# Altium PCB R3S601.PcbDoc
Units mil, origin at the board's own origin, x right, y up, seen from the top; angles counter-clockwise.
Board outline 3873.79 x 3851.81 mil, 2 copper layers (Top Layer, Bottom Layer); 56 components, 34 nets, 207 pads, 39 vias.
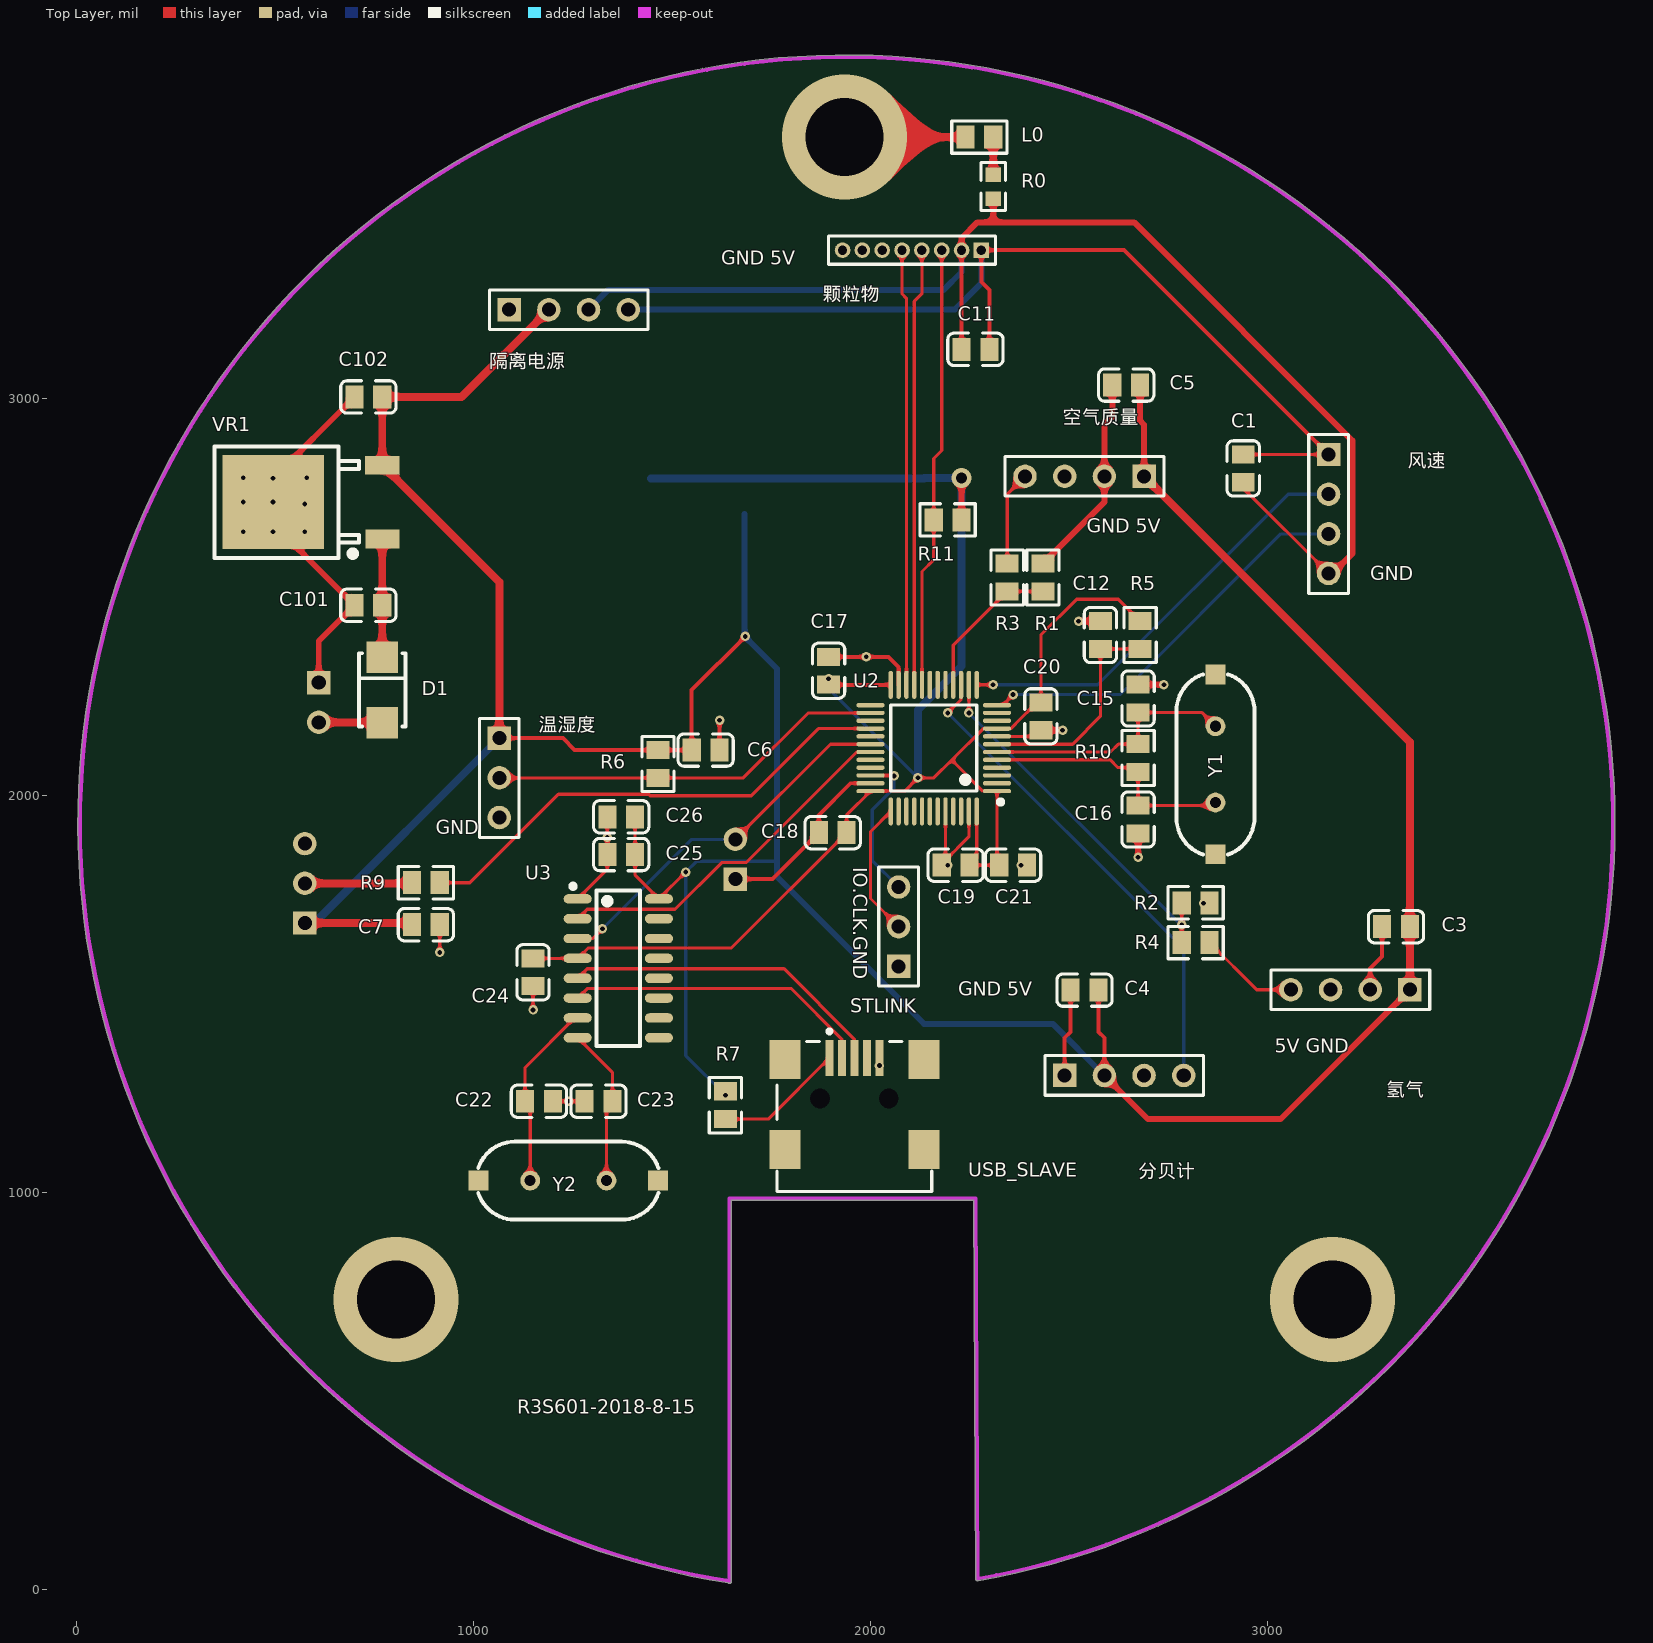
[diagram p0: Top Layer view]
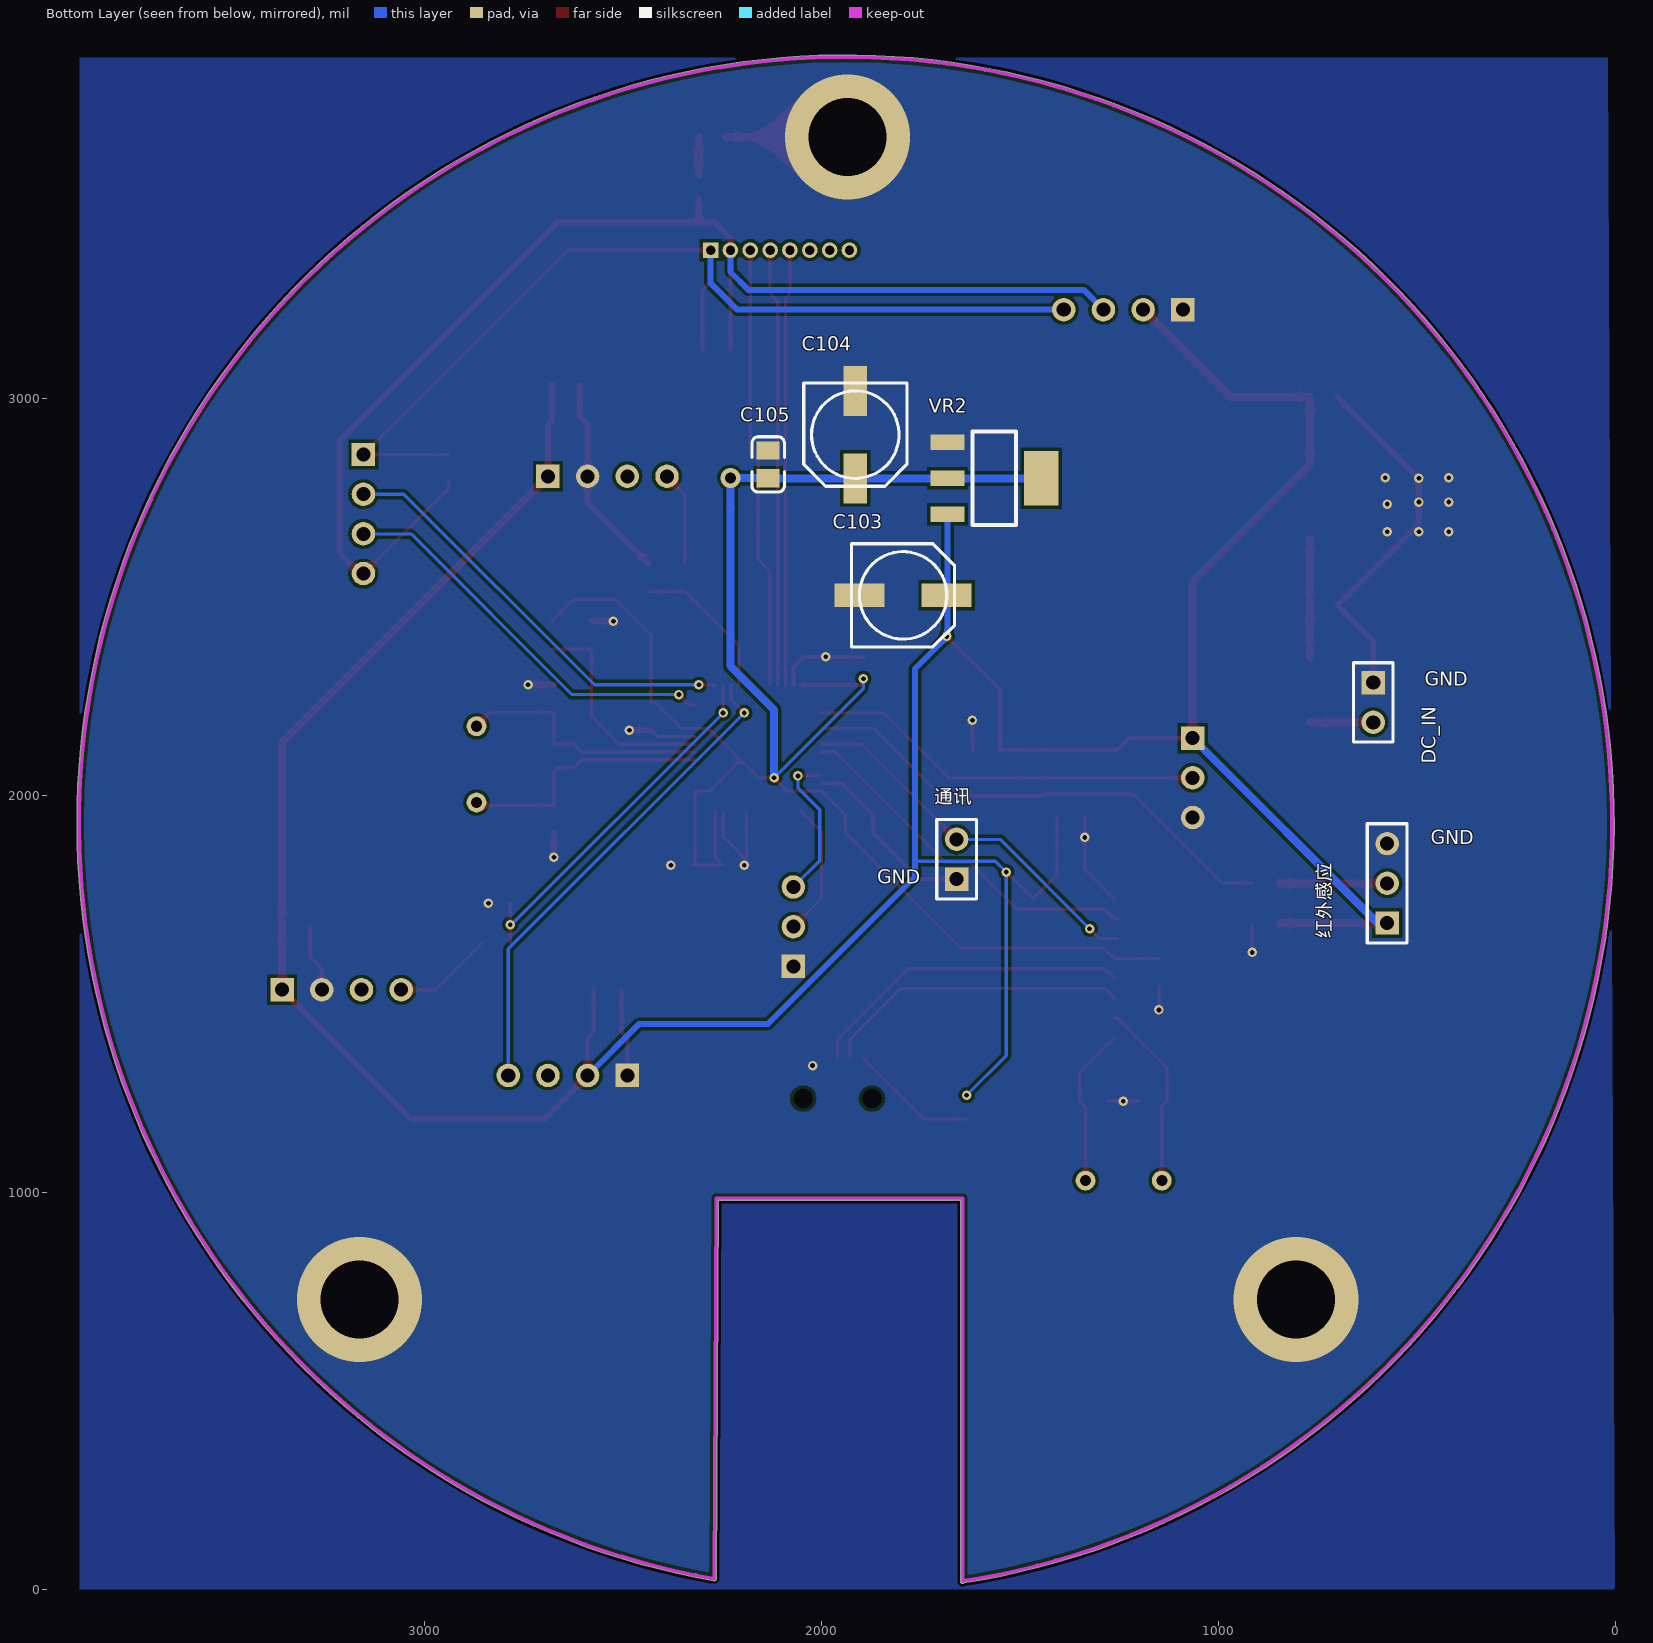
[diagram p1: Bottom Layer view, seen from below]
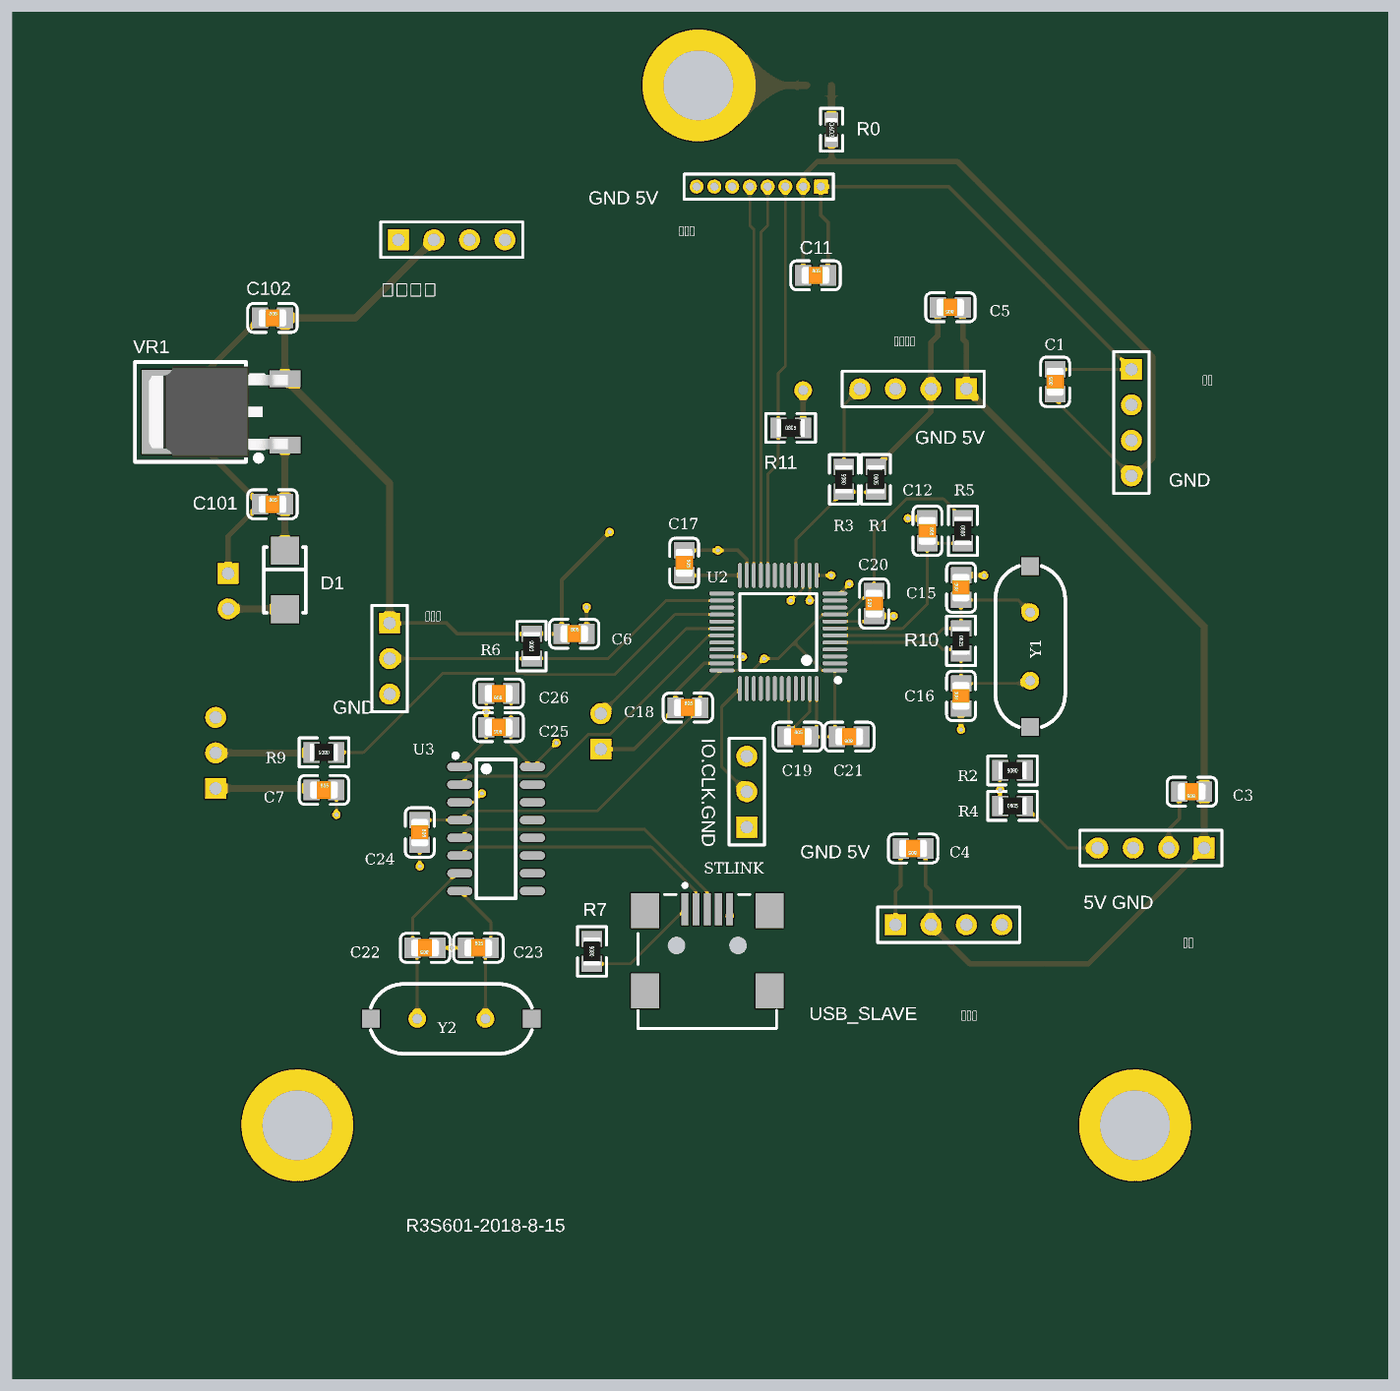
[diagram p2: 3D render of the assembled board from above, using the file's embedded part models]

## Layer stack, top to bottom
Top Solder: solder mask 0.4, Solder Resist, Dk 3.5
Top Layer: signal copper 1.4
Dielectric 1: dielectric 12.6, FR-4, Dk 4.8
Bottom Layer: signal copper 1.4
Bottom Solder: solder mask 0.4, Solder Resist, Dk 3.5

## Board outline
1641.87,16.18 ccw(c1645.12,20) 1650.13,20 1650.13,979.98 2260.62,979.98 2265.51,27.48 ccw(c2270.53,27.5) 2265.68,26.21 ccw(c2270.68,26.62) 2271.54,21.68 ccw(c1940,1930) 3876.91,1930 ccw(c1940,1930)

## Design rules (kind name [scope] priority, off if disabled: settings)
Clearance [All] p1: gap=8 ignorepadtopadclearanceinfootprint=FALSE
PlaneConnect [All] p1: planeconnectstyle=Direct reliefexpansion=20 reliefentries=4 reliefconductorwidth=10 reliefairgap=10
PolygonConnect [All] p1: connectstyle=Direct reliefconductorwidth=10 reliefentries=4 polygonreliefangle="90 Angle" airgapwidth=10
RoutingVias [All] p1: holewidth=28 width=50 viastyle="Through Hole" minholewidth=28 minwidth=50 maxholewidth=28 maxwidth=50
SolderMaskExpansion [All] p1: expansion=4
Width [All] p1: maxlimit=20 minlimit=6 preferedwidth=8
29 further rules are at their usual default settings.

## Components (designator, comment, footprint, x,y, rotation, side; value= is the part's Value field where it differs from the comment)
C1 "100nF(104) 10% 50V" LC-0805_C 2940,2825 r90 top
C3 "100nF(104) 10% 50V" LC-0805_C 3325,1670 r180 top
C4 "100nF(104) 10% 50V" LC-0805_C 2540,1510 r180 top
C5 "100nF(104) 10% 50V" LC-0805_C 2644.96,3035 r180 top
C6 "100nF(104) 10% 50V" LC-0805_C 1585,2115.04 r0 top
C7 "100nF(104) 10% 50V" LC-0805_C 880,1675 r0 top
C11 "100nF(104) 10% 50V" LC-0805_C 2265,3125 r0 top
C12 "100nF(104) 10% 50V" LC-0805_C 2580,2405 r270 top
C15 "22pF (220) 5% 50V" LC-0805_C 2675,2245 r90 top
C16 "22pF (220) 5% 50V" LC-0805_C 2675,1940 r90 top
C17 "100nF(104) 10% 50V" LC-0805_C 1895,2315 r270 top
C18 "100nF(104) 10% 50V" LC-0805_C 1905.4,1906.86 r0 top
C19 "100nF(104) 10% 50V" LC-0805_C 2215.04,1825 r0 top
C20 "100nF(104) 10% 50V" LC-0805_C 2430,2200 r90 top
C21 "100nF(104) 10% 50V" LC-0805_C 2360,1825 r180 top
C22 "22pF (220) 5% 50V" LC-0805_C 1164.96,1230 r180 top
C23 "22pF (220) 5% 50V" LC-0805_C 1315,1230 r0 top
C24 "100nF(104) 10% 50V" LC-0805_C 1150,1555 r270 top
C25 "10uF (106) 10% 25V" LC-0805_C 1372.32,1851.77 r180 top
C26 "100nF(104) 10% 50V" LC-0805_C 1372.32,1946.92 r180 top
C101 "330nF (334) 10% 50V" LC-0805_C 735,2480 r0 top
C102 "100nF(104) 10% 50V" LC-0805_C 735,3005 r0 top
C103 "10uF" CC6.56.5 1795,2505 r0 bottom
C104 "22uF" CC6.56.5 1915.39,2910 r90 bottom
C105 "100nF(104) 10% 50V" LC-0805_C 2135,2835 r270 bottom
D1 "SS210" LC-SMA(DO-214AC)_S1 770,2266.54 r270 top
DC_IN "Header 2" HDR1X2 610,2285 r270 bottom
L0 "47uH ±10%" LC-0805_L 2274.96,3660 r0 top
R0 "0Ω (0R0) ±1%" LC-0603_R 2310,3535 r270 top
R1 "3.3KΩ (3301) ±1%" LC-0805_R 2435,2550 r270 top
R2 "3.3KΩ (3301) ±1%" LC-0805_R 2820,1730 r180 top
R3 "1.5KΩ (1501) ±1%" LC-0805_R 2345,2550 r90 top
R4 "1.5KΩ (1501) ±1%" LC-0805_R 2820,1630 r0 top
R5 "10KΩ (1002) ±1%" LC-0805_R 2680,2405 r270 top
R6 "4.7KΩ (4701) ±1%" LC-0805_R 1465,2080 r90 top
R7 "0Ω (0R0) ±1%" LC-0805_R 1635,1220 r90 top
R9 "10KΩ (1002) ±1%" LC-0805_R 880,1780.75 r180 top
R10 "1MΩ (1004) ±1%" LC-0805_R 2675,2095 r270 top
R11 "10KΩ (1002) ±1%" LC-0805_R 2195,2695 r0 top
STLINK "Header 3" HDR1X3 2071.42,1570 r90 top
U2 "STM32F103C8T6" LC-LQFP-48_7x7x05P 2160,2120 r90 top
U3 "CH340G" LC-SOIC-16_150mil 1365,1565 r270 top
USB_SLAVE "USB-B(Mini)" USB/SM0.8-6H5 1960,1030 r270 top
VR1 "L78M05ABDT-TR" LC-TO-252-2-180 770.59,2740 r180 top
VR2 "AMS1117-3.3" LC-SOT-223 1565,2800 r0 bottom
Y1 "8MHz" XTAL_US 2870,2175 r270 top
Y2 "12MHz" XTAL_US 1142.87,1030 r0 top
分贝计 "Header 4" HDR1X4 2490,1295 r0 top
氢气 "Header 4" HDR1X4 3360,1511.15 r180 top
温湿度 "Header 3" HDR1X3 1065,2145 r270 top
空气质量 "Header 4" HDR1X4 2690,2805 r180 top
红外感应 "Header 3" HDR1X3 575,1679.25 r90 bottom
通讯 "Header 2" HDR1X2 1660,1790 r90 bottom locked (schematic designator ͨѶ)
隔离电源 "Header 4" HDR1X4 1090,3225 r0 top
颗粒物 "MHDR1X8" MHDR1X8 2280.04,3375 r180 top
风速 "Header 4" HDR1X4 3155,2860 r270 top

## Footprints (in the part's own frame and the unit in brackets; to place one, negate y for a bottom-side part, rotate by r counter-clockwise, add the part's x,y. Pads: shape width x height; smd on the part's side, far side on the other; paste and mask are expansions set on the pad)
CC6.56.5 [mm]
  rect 3.2x1.5 smd: 1(-2.794,0) 2(2.8,0)
  silkscreen extent -3.3,-3.3 3.3,3.3
HDR1X2 [mm] "Connector; Header; 2 Position"
  rect 1.5x1.5 hole 0.9: 1(0,0)
  round 1.5 hole 0.9: 2(2.54,0)
  silkscreen extent -1.27,-1.27 3.81,1.27
HDR1X3 [mm] "Connector; Header; 3 Position"
  rect 1.5x1.5 hole 0.9: 1(0,0)
  round 1.5 hole 0.9: 2(2.54,0) 3(5.08,0)
  silkscreen extent -1.27,-1.27 6.35,1.27
HDR1X4 [mm] "Connector; Header; 4 Position"
  rect 1.5x1.5 hole 0.9: 1(0,0)
  round 1.5 hole 0.9: 2(2.54,0) 3(5.08,0) 4(7.62,0)
  silkscreen extent -1.27,-1.27 8.89,1.27
LC-0603_R [mm]
  rect 0.93x0.98 smd: 1(-0.77,0) 2(0.77,0)
  silkscreen extent -1.53,-0.79 1.54,0.79, body extent -0.85,-0.4 0.85,0.4, height 0.56
LC-0805_C [mm]
  rect 1.16x1.47 smd: 1(-0.89,0) 2(0.89,0)
  silkscreen extent -1.77,-1.04 1.77,1.04, body extent -1,-0.62 1,0.63, height 0.77
LC-0805_L [mm]
  rect 1.16x1.47 smd: 1(-0.89,0) 2(0.89,0)
  silkscreen extent -1.77,-1.04 1.77,1.03, body extent -1.02,-0.64 1.03,0.64, height 0.6
LC-0805_R [mm]
  rect 1.16x1.47 smd: 1(-0.89,0) 2(0.89,0)
  silkscreen extent -1.77,-1.04 1.77,1.03, body extent -1,-0.62 1,0.63, height 0.49
LC-LQFP-48_7x7x05P [mm]
  oval 0.28x1.8 smd mask+0.051: 1(-2.75,-4.05) 2(-2.25,-4.05) 3(-1.75,-4.05) 4(-1.25,-4.05) 5(-0.75,-4.05) 6(-0.25,-4.05) 7(0.25,-4.05) 8(0.75,-4.05) 9(1.25,-4.05) 10(1.75,-4.05) 11(2.25,-4.05) 12(2.75,-4.05) 25(2.75,4.05) 26(2.25,4.05) 27(1.75,4.05) 28(1.25,4.05) 29(0.75,4.05) 30(0.25,4.05) 31(-0.25,4.05) 32(-0.75,4.05) 33(-1.25,4.05) 34(-1.75,4.05) 35(-2.25,4.05) 36(-2.75,4.05)
  oval 1.8x0.28 smd mask+0.051: 13(4.05,-2.75) 14(4.05,-2.25) 15(4.05,-1.75) 16(4.05,-1.25) 17(4.05,-0.75) 18(4.05,-0.25) 19(4.05,0.25) 20(4.05,0.75) 21(4.05,1.25) 22(4.05,1.75) 23(4.05,2.25) 24(4.05,2.75) 37(-4.05,2.75) 38(-4.05,2.25) 39(-4.05,1.75) 40(-4.05,1.25) 41(-4.05,0.75) 42(-4.05,0.25) 43(-4.05,-0.25) 44(-4.05,-0.75) 45(-4.05,-1.25) 46(-4.05,-1.75) 47(-4.05,-2.25) 48(-4.05,-2.75)
  silkscreen extent -3.6,-4.43 2.75,2.75
LC-SMA(DO-214AC)_S1 [mm]
  rect 2x2 smd: 1(2.1,0) 2(-2.1,0)
  silkscreen extent -2.35,-1.5 2.35,1.5
LC-SOIC-16_150mil [mm]
  oval 0.6x1.8 smd: 1(-4.445,-2.6) 2(-3.175,-2.6) 3(-1.905,-2.6) 4(-0.635,-2.6) 5(0.635,-2.6) 6(1.905,-2.6) 7(3.175,-2.6) 8(4.445,-2.6) 9(4.445,2.6) 10(3.175,2.6) 11(1.905,2.6) 12(0.635,2.6) 13(-0.635,2.6) 14(-1.905,2.6) 15(-3.175,2.6) 16(-4.445,2.6)
  silkscreen extent -5.4,-3.05 4.97,1.4
LC-SOT-223 [mm]
  rect 2.2x1 smd: 1(3,-2.3) 2(3,0) 3(3,2.3)
  rect 2.2x3.5 smd: 2(-3,0)
  silkscreen extent -1.4,-3 1.4,3, body extent -3.49,-3.24 3.49,3.24, height 1.64
LC-TO-252-2-180 [mm] "180度编带包装"
  rect 2.2x1.2 smd: 1(0,2.361) 3(0.004,-2.361)
  rect 6.5x6 smd: 2(7,0)
  silkscreen extent 1.5,-3.57 10.75,3.57, body extent -0.2,-3.27 9.74,3.27, height 2.44
MHDR1X8 [mm] "Connector; Header; 8 Position"
  rect 1x1 hole 0.6: 1(0,0)
  round 1 hole 0.6: 2(1.27,0) 3(2.54,0) 4(3.81,0) 5(5.08,0) 6(6.35,0) 7(7.62,0) 8(8.89,0)
  silkscreen extent -0.9,-0.9 9.79,0.9
USB/SM0.8-6H5 [mm]
  rect 2.3x0.5 smd: 1(-7.85,-1.6) 2(-7.85,-0.8) 3(-7.85,0) 4(-7.85,0.8) 5(-7.85,1.6)
  rect 2.5x2 smd: 6(-7.75,4.45) 7(-1.996,4.45) 8(-7.75,-4.45) 9(-1.996,-4.45)
  round 0.6 hole 1.27 unplated: MH1(-5.25,2.2) MH2(-5.25,-2.2)
  silkscreen extent -9.67,-4.95 0.7,4.95
XTAL_US [mil]
  round 50 hole 28: 1(0,0) 2(192.13,0)
  rect 50x50 smd: ""(-130.32,0) ""(322.44,0)
  silkscreen extent -131,-98 323,98

## Part data
C1 C3 C4 C5 C6 C7 C11 C12 C17 C18 C19 C20 C21 C24 C26 C102 C105: library part "0805 100nF(104) 10% 50V", "贴片电容", Package=0805, SuppliersPartNumber=C49678, ComponentLink1Description=供应商链接, ComponentLink1URL=http://www.szlcsc.com/product/details_50686.html, Supplier=LC
C15 C16 C22 C23: library part "0805 22pF (220) 5% 50V", "贴片电容", Package=0805, SuppliersPartNumber=C1804, ComponentLink1Description=供应商链接, ComponentLink1URL=http://www.szlcsc.com/product/details_2156.html, Supplier=LC
C25: library part "0805 10uF (106) 10% 25V", "贴片电容", Package=0805, SuppliersPartNumber=C15850, ComponentLink1Description=供应商链接, ComponentLink1URL=http://www.szlcsc.com/product/details_16532.html, Supplier=LC
C101: library part "0805 330nF (334) 10% 50V", "贴片电容", Package=0805, SuppliersPartNumber=C1740, ComponentLink1Description=供应商链接, ComponentLink1URL=http://www.szlcsc.com/product/details_2092.html, Supplier=LC
C103 C104: library part CAP
D1: library part "SMA(DO-214AC) SS210", "二极管", Package=SMA(DO-214AC), SuppliersPartNumber=C14996, ComponentLink1Description=供应商链接, ComponentLink1URL=http://www.szlcsc.com/product/details_15669.html, Supplier=LC
DC_IN 通讯: "Header, 2-Pin", LatestRevisionDate=17-Jul-2002, LatestRevisionNote="Re-released for DXP Platform.", Publisher="Altium Limited"
L0: library part "0805 47uH 10%", "贴片电感", Package=0805, SuppliersPartNumber=C14304, ComponentLink1Description=供应商链接, ComponentLink1URL=http://www.szlcsc.com/product/details_14964.html, Supplier=LC
R0: library part "0603 0Ω (0R0) 1%", "贴片电阻", Package=0603, SuppliersPartNumber=C21189, ComponentLink1Description=供应商链接, ComponentLink1URL=http://www.szlcsc.com/product/details_21903.html, Supplier=LC
R1 R2: library part "0805 3.3KΩ (3301) 1%", "贴片电阻", Package=0805, SuppliersPartNumber=C26010, ComponentLink1Description=供应商链接, ComponentLink1URL=http://www.szlcsc.com/product/details_26753.html, Supplier=LC
R3 R4: library part "0805 1.5KΩ (1501) 1%", "贴片电阻", Package=0805, SuppliersPartNumber=C4310, ComponentLink1Description=供应商链接, ComponentLink1URL=http://www.szlcsc.com/product/details_4717.html, Supplier=LC
R5 R9 R11: library part "0805 10KΩ (1002) 1%", "贴片电阻", Package=0805, SuppliersPartNumber=C17414, ComponentLink1Description=供应商链接, ComponentLink1URL=http://www.szlcsc.com/product/details_18102.html, Supplier=LC
R6: library part "0805 4.7KΩ (4701) 1%", "贴片电阻", Package=0805, SuppliersPartNumber=C17673, ComponentLink1Description=供应商链接, ComponentLink1URL=http://www.szlcsc.com/product/details_18361.html, Supplier=LC
R7: library part "0805 0Ω (0R0) 1%", "贴片电阻", Package=0805, SuppliersPartNumber=C17477, ComponentLink1Description=供应商链接, ComponentLink1URL=http://www.szlcsc.com/product/details_18165.html, Supplier=LC
R10: library part "0805 1MΩ (1004) 1%", "贴片电阻", Package=0805, SuppliersPartNumber=C17514, ComponentLink1Description=供应商链接, ComponentLink1URL=http://www.szlcsc.com/product/details_18202.html, Supplier=LC
STLINK 温湿度 红外感应: "Header, 3-Pin", LatestRevisionDate=17-Jul-2002, LatestRevisionNote="Re-released for DXP Platform.", Publisher="Altium Limited"
U2: "ARM", Package=LQFP-48_7x7x05P, SuppliersPartNumber=C8734, ComponentLink1Description=供应商链接, ComponentLink1URL=http://www.szlcsc.com/product/details_9243.html, Supplier=LC
U3: "USB", Package=SOIC-16_150mil, SuppliersPartNumber=C14267, ComponentLink1Description=供应商链接, ComponentLink1URL=http://www.szlcsc.com/product/details_14927.html, Supplier=LC
USB_SLAVE: library part USB5
VR1: library part "TO-252-2 L78M05ABDT-TR", "低压差线性稳压(LDO)", Package=TO-252-2, SuppliersPartNumber=C58069, ComponentLink1Description=供应商链接, ComponentLink1URL=http://www.szlcsc.com/product/details_59107.html, Supplier=LC
VR2: library part "SOT-223 AMS1117-3.3", "低压差线性稳压(LDO)", Package=SOT-223, SuppliersPartNumber=C6186, ComponentLink1Description=供应商链接, ComponentLink1URL=http://www.szlcsc.com/product/details_6652.html, Supplier=LC
Y1 Y2: library part XTAL, "Crystal Oscillator", LatestRevisionDate=17-Jul-2002, LatestRevisionNote="Re-released for DXP Platform.", Published=8-Jun-2000, Publisher="Altium Limited"
分贝计 氢气 空气质量 隔离电源 风速: "Header, 4-Pin", LatestRevisionDate=17-Jul-2002, LatestRevisionNote="Re-released for DXP Platform.", Publisher="Altium Limited"
颗粒物: "Header, 8-Pin", LatestRevisionDate=17-Jul-2002, LatestRevisionNote="Re-released for DXP Platform.", Publisher="Altium Limited"

## Via types
v1: diameter 24, hole 12, Top Layer to Bottom Layer, 35 vias
v2: diameter 314.96, hole 196.85, Top Layer to Bottom Layer, 3 vias
v3: diameter 50, hole 28, Top Layer to Bottom Layer, 1 vias

## Nets (pads, with @x,y where several pads share a name; then routed paths per layer and width w, separated by ;. In a path a pad name is that pad's centre, name@x,y a point inside that pad or via, vN(x,y) a via of type N, cw(c..) or ccw(c..) an arc to the next point about the centre after c; other vN are vias at no path point)
5V_GL: C1.2 C11.2 隔离电源.4 颗粒物.1 风速.1 | length 2562.4
  Top Layer w8: C1.2 风速.1
  Top Layer w10: C11.2 2300.04,3275 2280.04,3295 颗粒物.1 2640,3375 风速.1
  Bottom Layer w15: 隔离电源.4 2213.21,3225 2280.04,3291.83 颗粒物.1
+3.3: C17.2 C18.2 C19.2 C20.2 C21.2 C24.1 C104.1 C105.2 R5.1 R11.2 U2.1 U2.9 U2.24 U2.36 U2.48 U3.4 VR2.2 | length 4793.8
  Top Layer w8: C24.1 C24.1 U3.4 1288.83,1616.19 1649.76,1616.19 C18.2 1940.44,1951.62 U2.36 2086.73,2011.73 v1(2120,2045) 2160.23,2045 2205.35,2090.12 ; U2.48 2268.27,1843.19 C19.2 C21.2 2319.45,1830.51 U2.1 2283.74,2011.73 2205.35,2090.12 ; C20.2@2425.02,2235.04 2420.04,2235.04 2366.88,2181.88 2366.88,2181.64 2354.45,2169.21 U2.9 2284.45,2169.21 2205.35,2090.12 ; C20.2 2430,2405 2520,2495 2625.04,2495 R5.1
  Top Layer w10: C17.2 1895.51,2279.45 U2.24
  Top Layer w15: R11.2 v3(2230.04,2801.14)
  Bottom Layer w8: v1(1895,2295) 1895,2270 v1(2120,2045)
  Bottom Layer w20: VR2.2@1446.89,2800 1683.11,2800 C105.2 C105.2 2136.18,2801.14 v3(2230.04,2801.14) 2230.04,2326.43 2120,2216.39 v1(2120,2045)
+5: C3.1 C4.1 C5.1 C6.1 C7.1 C25.1 C26.1 C102.2 C103.1 R6.2 R7.2 U3.16 VR1.3 VR2.3 分贝计.2 氢气.1 温湿度.1 空气质量.1 红外感应.1 隔离电源.2 | length 9418.1
  Top Layer w8: C26.1 C25.1 1407.36,1800 U3.16 v1(1535.04,1807.64)
  Top Layer w10: 温湿度.1 1225.04,2145 1255,2115.04 R6.2 C6.1 1549.96,2266.54 v1(1685,2401.57) ; C4.1 2575.04,1404.96 2590,1390 分贝计.2
  Top Layer w15: 分贝计.2 2700,1185 3033.85,1185 氢气.1 ; C5.1 2680,2945 2690,2935 空气质量.1
  Top Layer w20: 红外感应.1 840.71,1679.25 C7.1 ; 温湿度.1 1065,2538.39 VR1.3 770.04,2833.35 C102.2 970,3005 隔离电源.2 ; 空气质量.1 3360,2135 氢气.1
  Bottom Layer w8: v1(1635,1245) 1535.04,1344.96 v1(1535.04,1807.64) 1562.4,1835 1765,1835
  Bottom Layer w15: VR2.3 1683.11,2401.89 1765,2320 1765,1835 1765,1795.44 2135.44,1425 2460,1425 分贝计.2
  Bottom Layer w20: 红外感应.1 599.25,1679.25 温湿度.1
ADC_IN4: R2.2 R4.1 U2.14 | length 928.3
  Top Layer w8: v1(2248.58,2208.58) U2.14 ; R4.1 R2.2
  Bottom Layer w8: v1(2248.58,2208.58) 2782.17,1675 v1(2785,1675)
ADC_IN5: U2.15 分贝计.4 | length 1245.1
  Top Layer w8: v1(2195,2208.58) 2228.9,2242.48 U2.15
  Bottom Layer w8: v1(2195,2208.58) 2195.31,2208.58 2790,1613.9 分贝计.4
ADC_IN6: R1.2 R3.1 U2.16 | length 381.8
  Top Layer w8: U2.16 2209.21,2379.17 R3.1 R1.2
ADC_IN7: U2.17
GND: C3.2 C4.2 C5.2 C6.2 C7.2 C12.1 C15.2 C16.1 C17.1 C18.1 C19.1 C20.1 C21.1 C22.1 C23.1 C24.2 C25.2 C26.2 C101.1 C102.1 C103.2 C104.2 C105.1 DC_IN.1 L0.1 R1.1 R2.1 STLINK.1 U2.8 U2.23 U2.35 U2.44 U2.47 U3.1 USB_SLAVE.5 VR1.2 VR2.1 分贝计.1 氢气.2 温湿度.3 空气质量.2 红外感应.3 通讯.1 隔离电源.1 | length 4008.6
  Top Layer w8: v1(915.04,1605) C7.2 ; v1(1150,1460) C24.2 ; C22.1 C23.1 ; U3.1 1337.28,1814.65 C25.2 v1(1337.28,1895) C26.2 ; C19.1 2189.53,1834.53 C19.1@2189.53,1837.09 ; U2.44 C19.1@2189.53,1837.09 ; U2.47 2248.58,1896.14 C19.1@2189.53,1837.09 ; U2.8 2414.57,2149.53 C20.1
  Top Layer w10: C6.2 v1(1620.04,2189.96) ; 通讯.1 1753.49,1790 C18.1 1870.36,1948.85 1869.21,1950 1950.63,2031.42 U2.35 ; C17.1 2045.61,2350.04 2071.42,2324.24 U2.23 ; 分贝计.1 2490,1390 2504.96,1404.96 C4.2 ; 氢气.2 3260,1565 3290,1595 C3.2 C3.2
  Top Layer w15: DC_IN.1 610,2390.04 C101.1 495,2684.96 v1(495,2740) v1(495,2800.04) C102.1 ; C20.1 v1(2484.78,2164.96) ; R1.1 2590,2740.04 空气质量.2 2590,2935 2610,2955 2610,3034.92 C5.2 ; v1(2525,2440) C12.1 C12.1 ; v1(2675,1845) C16.1 ; C15.2 2739.41,2280.04 v1(2740,2279.45)
  Top Layer w20: v2(1934.78,3660) L0.1
  other v1: 1239.98,1230 2022.99,1320 2840,1729.06 2195,1825 2380,1825 1990,2350 420,2665 495,2665 575,2665 575,2735 420,2740 420,2801.14 580,2801.14
  other v2: 805,730 3165,730
GND_GL: C1.1 C11.1 R0.2 隔离电源.3 颗粒物.2 风速.4 | length 3288.2
  Top Layer w8: C1.1 2940,2775 风速.4
  Top Layer w10: C11.1 2230.04,3125.08 颗粒物.2
  Top Layer w15: 颗粒物.2 2230.04,3405.04 2270,3445 2310,3445 ; R0.2 2310,3445 ; 风速.4 3165,2560 3215,2610 3215,2895 2665,3445 2310,3445
  Bottom Layer w15: 隔离电源.3 1340,3275 2185,3275 2230.04,3320.04 颗粒物.2
NetC12_2: C12.2 R5.2 U2.7 | length 559.6
  Top Layer w8: U2.7 2509.84,2129.84 2580,2200 C12.2 R5.2
NetC15_1: C15.1 R10.1 U2.6 Y1.1 | length 653.2
  Top Layer w8: U2.6 2605.32,2110.16 2625.2,2130.04 R10.1 C15.1 2835.04,2209.96 Y1.1
NetC16_2: C16.2 R10.2 U2.5 Y1.2 | length 651.4
  Top Layer w8: U2.5 2604.53,2090.47 2624.21,2070.79 2664.17,2070.79 R10.2 C16.2 2862.17,1975.04 Y1.2
NetC22_2: C22.2 U3.7 Y2.1 | length 474.6
  Top Layer w8: Y2.1 1142.87,1217.05 C22.2 1129.92,1314.58 1255.34,1440 U3.7
NetC23_2: C23.2 U3.8 Y2.2 | length 402.4
  Top Layer w8: U3.8 1350.04,1302.6 C23.2 1335,1214.96 Y2.2
NetC101_2: C101.2 D1.2 VR1.1 | length 298.1
  Top Layer w20: D1.2 770,2646.45 VR1.1
NetD1_1: D1.1 DC_IN.2 | length 160.5
  Top Layer w20: DC_IN.2 768.86,2185 D1.1
NetL0_2: L0.2 R0.1 | length 94.7
  Top Layer w20: R0.1 L0.2
NetR3_2: R3.2 空气质量.4 | length 238.6
  Top Layer w8: R3.2 2345,2760 空气质量.4
NetR4_2: R4.2 氢气.4 | length 254.2
  Top Layer w8: R4.2 2973.89,1511.15 氢气.4
NetR7_1: R7.1 USB_SLAVE.1 | length 325.8
  Top Layer w8: R7.1 1742.91,1184.96 USB_SLAVE.1
NetR9_2: R9.2 红外感应.2 | length 270.6
  Top Layer w20: 红外感应.2 843.46,1779.25 R9.2
NetR11_1: R11.1 U2.20 颗粒物.3 | length 1116.1
  Top Layer w8: U2.20 2130.47,2565 2159.96,2594.49 R11.1 2159.96,2849.92 2180.04,2870 颗粒物.3
NetU3_5: U3.5 USB_SLAVE.3 | length 828.2
  Top Layer w8: U3.5 1286.45,1563.81 1782.87,1563.81 1960,1386.68 USB_SLAVE.3
NetU3_6: U3.6 USB_SLAVE.2 | length 776
  Top Layer w8: U3.6 1286.45,1513.81 1801.37,1513.81 1928.5,1386.68 USB_SLAVE.2
PB15: R9.1 U2.28 | length 1249.6
  Top Layer w8: R9.1 990.75,1780.75 1213.86,2003.86 1441.79,2003.86 1445.66,2000 1700,2000 1869.21,2169.21 U2.28
SWCLK: STLINK.2 U2.37 | length 341.1
  Top Layer w8: U2.37 2000.55,1909.37 2000.55,1740.87 STLINK.2
SWDIO: STLINK.3 U2.34 | length 390.8
  Top Layer w8: U2.34 v1@2060,2051.1
  Bottom Layer w8: v1@2060,2051.1 2060,2020 2005,1965 2005,1836.42 STLINK.3
  other v1: 2060,2050
Tem: R6.1 U2.26 温湿度.2 | length 1003.3
  Top Layer w8: 温湿度.2 R6.1 R6.1 1679.96,2044.96 1843.58,2208.58 U2.26
U_RX: U2.31 U3.2 | length 919.2
  Top Layer w8: U3.2@1255.34,1690 U3.2 1286.45,1713.81 1507.79,1713.81 1625.5,1831.53 1686.92,1831.53 1965.55,2110.16 U2.31
U_TX: U2.30 U3.3 通讯.2 | length 948.1
  Top Layer w8: U3.3@1255.34,1640 U3.3 1300,1640 v1(1325,1665) ; 通讯.2 1899.84,2129.84 U2.30
  Bottom Layer w8: v1(1325,1665) 1550,1890 通讯.2
USART2_RX: U2.13 风速.2 | length 1085.8
  Top Layer w8: U2.13 v1(2309.41,2279.45)
  Bottom Layer w8: v1(2309.41,2279.45) 2572.63,2279.45 3053.18,2760 风速.2
USART2_TX: U2.12 风速.3 | length 1014.4
  Top Layer w8: U2.12 2333.27,2228.27 v1(2360,2255)
  Bottom Layer w8: v1(2360,2255) 2630,2255 3035,2660 风速.3
USART3_RX: U2.22 颗粒物.5 | length 1100.1
  Top Layer w8: 颗粒物.5 2080.04,3265 2091.1,3253.94 U2.22
USART3_TX: U2.21 颗粒物.4 | length 1103.5
  Top Layer w8: U2.21 2110.79,3245.71 2130.04,3264.96 颗粒物.4
pads on no net: U2.2 U2.3 U2.4 U2.10 U2.11 U2.18 U2.19 U2.25 U2.27 U2.29 U2.32 U2.33 U2.38 U2.39 U2.40 U2.41 U2.42 U2.43 U2.45 U2.46 U3.9 U3.10 U3.11 U3.12 U3.13 U3.14 U3.15 USB_SLAVE.4 USB_SLAVE.6 USB_SLAVE.7 USB_SLAVE.8 USB_SLAVE.9 USB_SLAVE.MH1 USB_SLAVE.MH2 Y1. Y2. 分贝计.3 氢气.3 空气质量.3 颗粒物.6 颗粒物.7 颗粒物.8

## Polygon pours and split planes (outlines as drawn)
GND on Bottom Layer "Bottom Layer-GND" (solid, pour order 0): 19.29,3860 3870,3860 3870,0 0.71,0

## Keep-outs
Keep-Out Layer:
  lines w10: 1645.12,20 1645.12,985 2265.61,985 2270.53,27.5 ; 1645.12,20.75 cw(c1940,1930) 2270.68,26.62

## Silkscreen, mask and mechanical layers (free items; w line width, h text height)
Top Overlay:
  text "GND 5V" at 1625,3325 h60
  text "GND 5V" at 2545,2650 h60
  text "GND" at 3260,2530 h60
  text "GND" at 905,1890 h60
  text "IO.CLK.GND" at 1945,1820 h60 r270
  text "GND 5V" at 2221.61,1482.68 h60
  text "5V GND" at 3020,1340 h60
  text "R3S601-2018-8-15" at 1110,430 h60
Bottom Overlay:
  text "GND" at 480,2265 h60
  text "GND" at 465,1865 h60
  text "GND" at 1860,1765 h60